# Altium PCB CorePad-V2.0.PcbDoc (part 2 of 3) (continued)
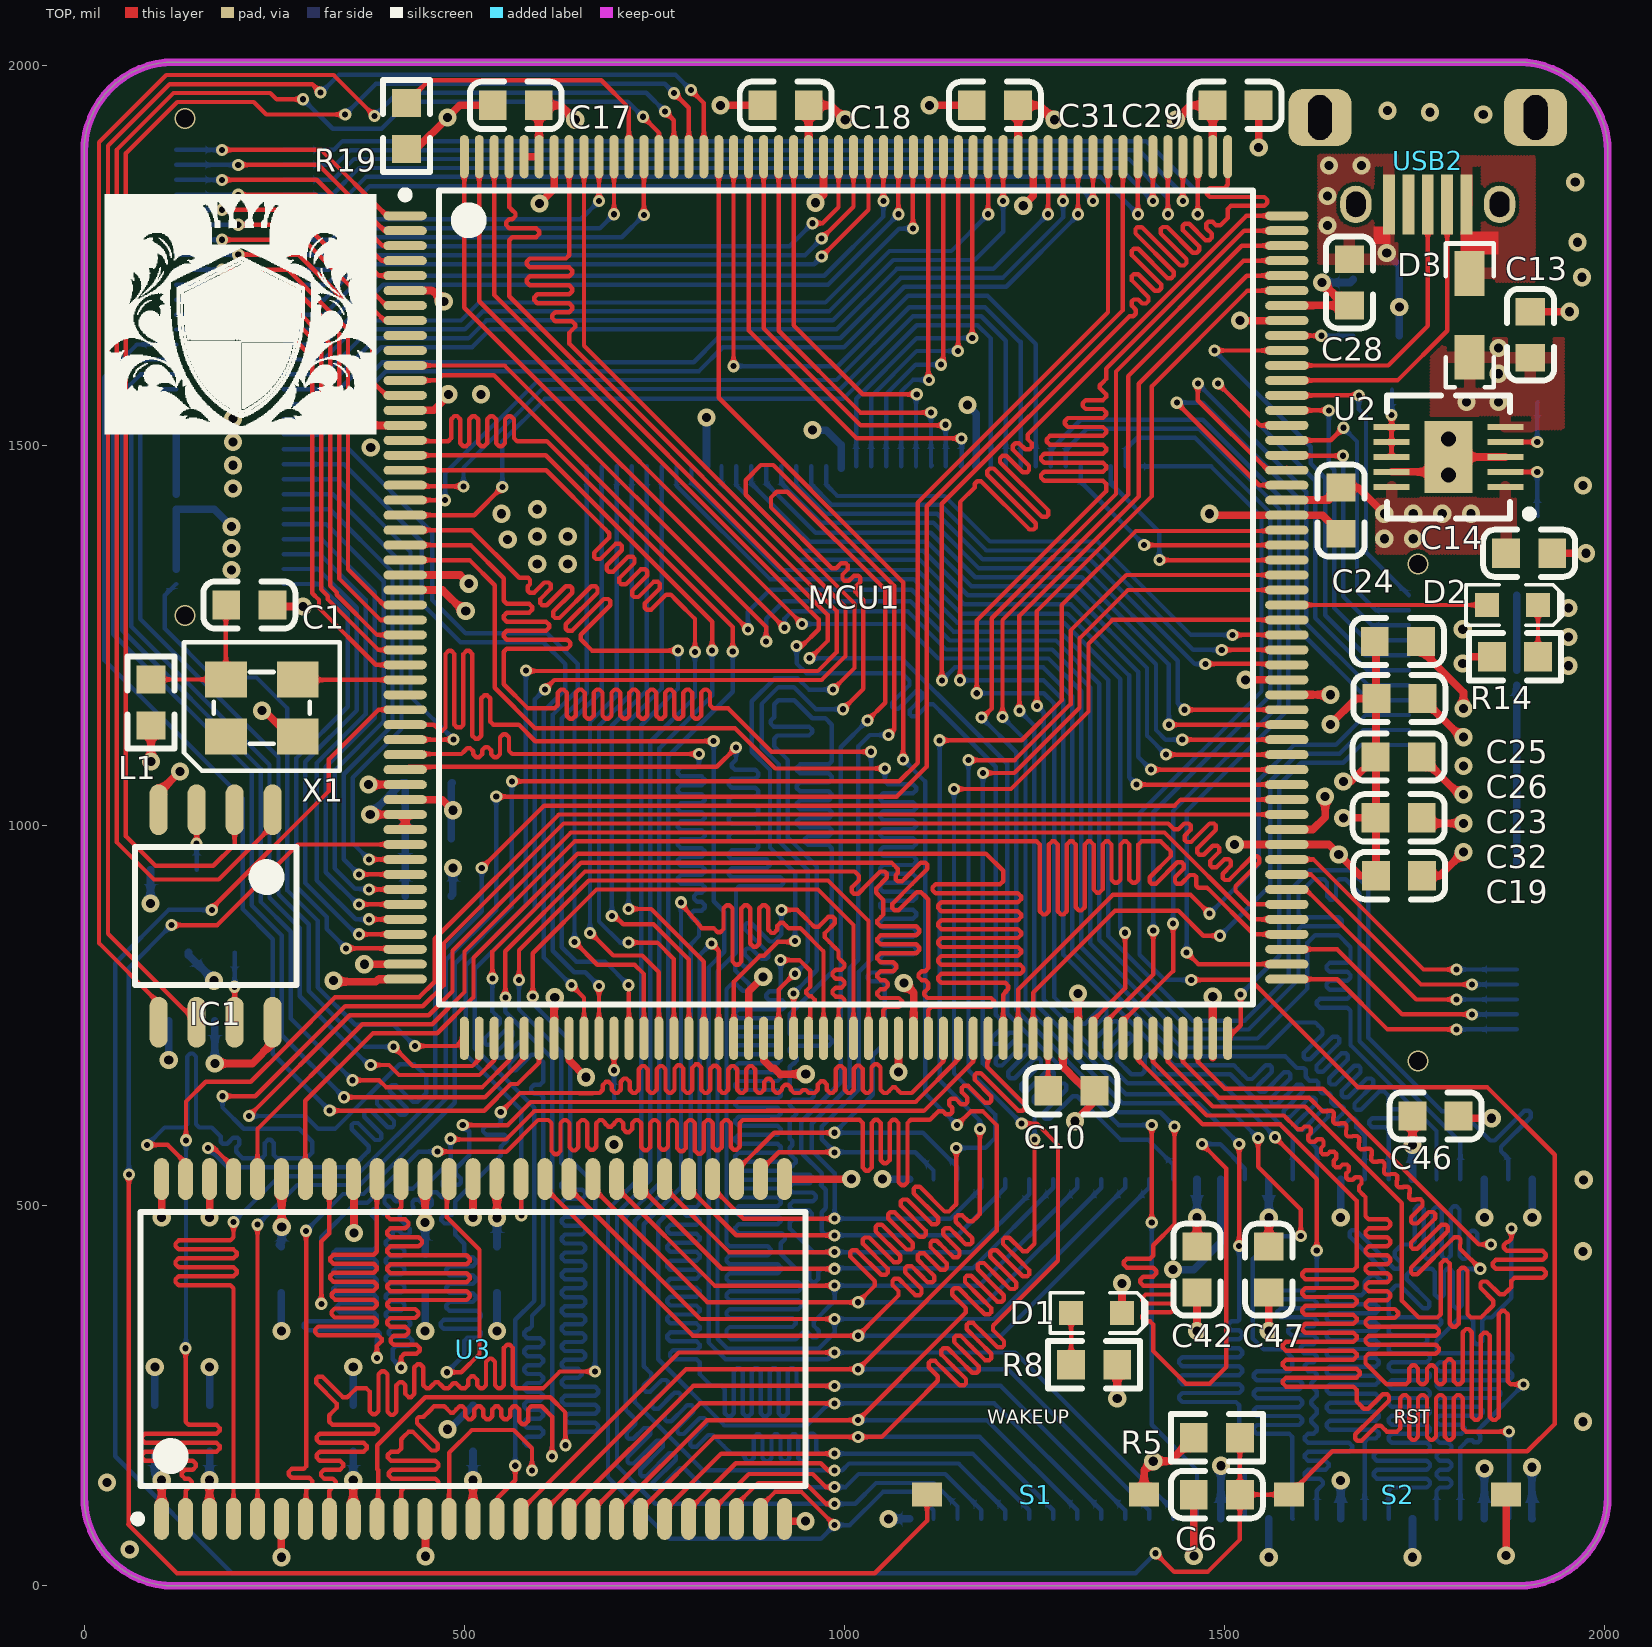
[diagram p0: TOP view]
## Nets (pads, with @x,y where several pads share a name; then routed paths per layer and width w, separated by ;. In a path a pad name is that pad's centre, name@x,y a point inside that pad or via, vN(x,y) a via of type N, cw(c..) or ccw(c..) an arc to the next point about the centre after c; other vN are vias at no path point) (continued)
FMC_D14: MCU1.109 U3.51 | length 2579.3
  TOP w5.78: v1(163,576) 171,576 196.54,550.46 U3.51@196.54,535 ; v1(217,618) 349.45,750.45 451.75,750.45 ; 451.76,750.44 453.12,750.44 484.56,781.88 484.56,835.22 640.19,990.85 1420.81,990.85 1535.05,876.61 MCU1.109@1581.69,876.61
  BOT w5.78: v1(163,576) 188.22,550.78 337,550.78 346.91,550.78 352.8,550.78 360.56,558.54 368.89,566.87 374.3,572.28 374.3,578.11 351.95,600.46 351.95,606.3 354.45,608.79 360.28,608.79 382.63,586.44 388.46,586.44 390.96,588.94 390.96,594.77 368.61,617.12 368.61,622.95 371.11,625.45 376.94,625.45 399.29,603.1 405.12,603.1 407.62,605.6 407.62,611.43 385.27,633.78 385.27,639.61 387.77,642.11 393.6,642.11 415.95,619.76 421.78,619.76 424.28,622.26 424.28,628.09 401.93,650.44 401.93,656.27 404.43,658.77 410.26,658.77 432.61,636.42 438.44,636.42 443.86,641.84 448.02,646 450.22,648.2 450.22,669.78 434,686 415,686 330,601 308,601 291,618 v1(217,618)
FMC_D15: MCU1.110 U3.53 | length 2643.1
  TOP w5.78: v1(83,580) 110,580 133.54,556.46 U3.53@133.54,535 ; v1(182,644) 225,644 343.23,762.23 445.41,762.23 472.78,789.6 472.78,844.78 630.63,1002.63 1425.69,1002.63 1431.32,997 1433.31,995.01 1439.14,995.01 1446.77,1002.63 1452.6,1002.63 1455.1,1000.13 1455.1,994.3 1447.47,986.68 1447.47,980.85 1449.97,978.35 1455.8,978.35 1480.09,1002.63 1485.92,1002.63 1488.42,1000.13 1488.42,994.3 1464.13,970.02 1464.13,964.19 1466.63,961.69 1472.46,961.69 1484.23,973.45 1490.06,973.45 1492.56,970.95 1492.56,965.12 1480.79,953.36 1480.79,947.53 1483.29,945.03 1489.12,945.03 1499.66,955.56 1505.49,955.56 1507.99,953.06 1507.99,947.23 1497.45,936.7 1497.45,930.87 1499.95,928.37 1505.78,928.37 1536.93,959.52 1542.76,959.52 1545.26,957.02 1545.26,951.19 1514.11,920.04 1514.11,914.21 1519.53,908.79 1527.85,900.46 1532.02,896.3 1540.46,896.3 1552.24,896.3 1564.02,896.3 1575.8,896.3 MCU1.110@1581.69,896.3
  BOT w5.78: v1(83,580) 105.89,602.89 106,602.89 111.89,602.89 123.67,602.89 131.33,602.89 135.45,607.01 135.45,696.07 139.57,700.19 143.11,700.19 147.23,696.07 147.23,607.01 151.35,602.89 159.01,602.89 168,602.89 172.16,598.73 179.89,591 179.89,589.79 179.89,583.96 182.39,581.46 188.22,581.46 188.82,582.07 195.99,589.23 201.82,589.23 204.32,586.73 204.32,580.9 200.07,576.65 200.07,570.82 205.48,565.41 208.33,562.56 214.22,562.56 226,562.56 233.65,562.56 237.78,566.68 237.78,582.51 241.9,586.63 245.43,586.63 249.56,582.51 249.56,566.68 253.68,562.56 261.34,562.56 292.56,562.56 300,570 300,584 282.89,601.11 210,601.11 182,629.11 v1(182,644)
FMC_D16: MCU1.98 U4.2 | length 2622.7
  TOP w5.78: MCU1.98@1385.83,720.12 1385.83,692.17 1471.11,606.89 1573,606.89 1673.37,506.52 1673.37,433 1673.37,427.11 1673.37,419.45 1669.25,415.33 1606.02,415.33 1601.89,411.21 1601.89,407.67 1606.02,403.55 1669.25,403.55 1673.37,399.43 1673.37,395.89 1669.25,391.77 1606.02,391.77 1601.89,387.65 1601.89,384.11 1606.02,379.99 1669.25,379.99 1673.37,375.87 1673.37,372.33 1669.25,368.21 1606.02,368.21 1601.89,364.09 1601.89,360.55 1606.02,356.43 1669.25,356.43 1673.37,352.31 1673.37,348.77 1669.25,344.65 1606.02,344.65 1601.89,340.53 1601.89,336.99 1606.02,332.87 1669.25,332.87 1673.37,328.75 1673.37,325.21 1669.25,321.09 1580.61,321.09 1576.49,316.97 1576.49,313.43 1580.61,309.31 1669.25,309.31 1673.37,305.19 1673.37,301.65 1669.25,297.53 1580.61,297.53 1576.49,293.41 1576.49,289.87 1580.61,285.75 1673.37,285.75 1677.49,281.63 1677.49,278.09 1673.37,273.97 1580.61,273.97 1576.49,269.85 1576.49,266.31 1580.61,262.19 1669.25,262.19 1673.37,258.07 1673.37,250.41 1673.37,242.63 1677.54,238.46 1682.95,233.05 1688.78,233.05 1707.75,252.02 1713.58,252.02 1716.08,249.52 1716.08,243.69 1694.19,221.81 1671.7,199.31 1671.7,193.48 1674.2,190.98 1680.03,190.98 1699.61,210.56 1705.44,210.56 1710.85,205.15 1713,203 1718.89,203 1726.55,203 1730.67,207.12 1730.67,246.98 1734.79,251.11 1738.33,251.11 1742.45,246.98 1742.45,203 1742.45,196.02 1746.57,191.89 1750.11,191.89 1754.23,196.02 1754.23,203 1754.23,246.98 1758.35,251.11 1761.89,251.11 1766.01,246.98 1766.01,203 1766.01,196.02 1770.13,191.89 1773.67,191.89 1777.79,196.02 1777.79,203 1777.79,246.98 1781.91,251.11 1785.45,251.11 1789.57,246.98 1789.57,203 1789.57,196.02 1793.69,191.89 1797.23,191.89 1801.35,196.02 1801.35,203 1801.35,246.98 1805.47,251.11 1809.01,251.11 1813.13,246.98 1813.13,207.12 1817.25,203 1854,203 v1(1874,203)
  BOT w5.78: U4.2@1872.95,88.15 1874,89.2 v1(1874,203)
FMC_D17: MCU1.99 U4.4 | length 2620.8
  TOP w5.78: MCU1.99@1405.51,720.12 1405.51,689.57 1476.42,618.67 1577.88,618.67 1582.04,614.51 1590.37,606.18 1595.78,600.76 1601.62,600.76 1604.97,604.11 1610.8,604.11 1613.3,601.61 1613.3,595.78 1609.94,592.43 1609.94,586.6 1612.44,584.1 1618.27,584.1 1621.63,587.45 1627.46,587.45 1629.96,584.95 1629.96,579.12 1626.6,575.77 1626.6,569.94 1629.1,567.44 1634.93,567.44 1638.29,570.79 1644.12,570.79 1646.61,568.29 1646.61,562.46 1643.26,559.11 1643.26,553.28 1645.76,550.78 1651.59,550.78 1654.94,554.13 1660.78,554.13 1663.27,551.64 1663.27,545.8 1659.92,542.45 1659.92,536.62 1662.42,534.12 1668.25,534.12 1671.6,537.47 1677.43,537.47 1679.93,534.98 1679.93,529.14 1676.58,525.79 1676.58,519.96 1682,514.55 1685.15,511.4 1685.15,505.51 1685.15,493.73 1685.15,486.07 1689.27,481.95 1713.72,481.95 1717.85,477.82 1717.85,474.29 1713.72,470.17 1689.27,470.17 1685.15,466.04 1685.15,462.51 1689.27,458.39 1713.72,458.39 1717.85,454.26 1717.85,450.73 1713.72,446.61 1689.27,446.61 1685.15,442.48 1685.15,438.95 1689.27,434.83 1713.72,434.83 1717.85,430.7 1717.85,427.17 1713.72,423.05 1689.27,423.05 1685.15,418.92 1685.15,415.39 1689.27,411.27 1713.72,411.27 1717.85,407.14 1717.85,403.61 1713.72,399.49 1689.27,399.49 1685.15,395.36 1685.15,391.83 1689.27,387.71 1713.72,387.71 1717.85,383.58 1717.85,380.05 1713.72,375.93 1689.27,375.93 1685.15,371.8 1685.15,368.27 1689.27,364.15 1723.82,364.15 1727.94,360.02 1727.94,356.49 1723.82,352.37 1689.27,352.37 1685.15,348.24 1685.15,344.71 1689.27,340.59 1777.65,340.59 1781.77,336.46 1781.77,332.93 1777.65,328.81 1689.27,328.81 1685.15,324.68 1685.15,321.15 1689.27,317.03 1777.65,317.03 1781.77,312.9 1781.77,309.37 1777.65,305.25 1689.27,305.25 1685.15,301.12 1685.15,293.47 1685.15,292.85 1689.32,288.68 1697.64,280.36 1705.97,272.03 1713,265 1718.89,265 1730.67,265 1738.33,265 1742.45,269.12 1742.45,285.97 1746.58,290.09 1750.11,290.09 1754.23,285.97 1754.23,269.12 1758.36,265 1761.89,265 1766.01,269.12 1766.01,285.97 1770.14,290.09 1773.67,290.09 1777.79,285.97 1777.79,269.12 1781.92,265 1785.45,265 1789.57,269.12 1789.57,293.76 1793.7,297.88 1797.23,297.88 1801.35,293.76 1801.35,269.12 1805.48,265 1809.01,265 1813.13,269.12 1813.13,333.72 1817.26,337.84 1820.79,337.84 1824.91,333.72 1824.91,265 1824.91,222.28 1829.04,218.16 1832.57,218.16 1836.69,222.28 1836.69,265 1836.69,329.05 1840.82,333.17 1844.35,333.17 1848.47,329.05 1848.47,265 1848.47,222.28 1852.6,218.16 1856.13,218.16 1860.25,222.28 1860.25,265 1860.25,357.5 1864.38,361.62 1867.91,361.62 1872.03,357.5 1872.03,269.12 1876.16,265 v1(1893,265)
  BOT w5.78: U4.4@1809.96,88.15 1809.96,181.95 1814.13,186.12 1819.54,191.53 1825.37,191.53 1827.72,189.18 1833.55,189.18 1836.05,191.68 1836.05,197.51 1833.7,199.86 1833.7,205.69 1842,214 v1(1893,265)
FMC_D18: MCU1.100 U4.5 | length 2670.5
  TOP w5.78: MCU1.100@1425.2,720.12 1425.2,689.57 1484.32,630.45 1605.89,630.45 1733,503.34 1733,388 1733,380.89 1733,375 1755,353 1760.43,353 1772.21,353 1779.87,353 1783.99,357.12 1783.99,423.95 1788.11,428.08 1791.65,428.08 1795.77,423.95 1795.77,353 1795.77,344.79 1799.89,340.67 1803.43,340.67 1807.55,344.79 1807.55,353 1807.55,414.29 1811.67,418.42 1815.21,418.42 1819.33,414.29 1819.33,357.12 1823.45,353 1831.11,353 1837,353 1839.52,355.52 1847.85,363.85 1853.26,369.26 1853.26,375.09 1836.33,392.02 1836.33,397.85 1838.83,400.35 1844.66,400.35 1861.59,383.42 1867.42,383.42 1872.84,388.84 1877,393 1877,393.43 1877,401.09 1881.12,405.21 1918.1,405.21 1922.22,409.33 1922.22,412.87 1918.1,416.99 1877,416.99 1856.5,416.99 1852.38,421.11 1852.38,424.65 1856.5,428.77 1877,428.77 1918.1,428.77 1922.22,432.89 1922.22,436.43 1918.1,440.55 1877,440.55 1870.99,440.55 1866.87,444.67 1866.87,448.21 1870.99,452.33 1872.88,452.33 1877,456.45 1877,464.11 v1(1877,470)
  BOT w5.78: U4.5@1778.46,88.15 1778.46,94.04 1778.46,105.82 1778.46,117.6 1778.46,125.26 1782.59,129.38 1794.06,129.38 1798.18,133.5 1798.18,137.04 1794.06,141.16 1782.59,141.16 1778.46,145.28 1778.46,148.82 1782.59,152.94 1794.06,152.94 1798.18,157.06 1798.18,160.6 1794.06,164.72 1782.59,164.72 1778.46,168.84 1778.46,172.38 1782.59,176.5 1794.06,176.5 1798.18,180.62 1798.18,184.16 1794.06,188.28 1782.59,188.28 1778.46,192.4 1778.46,195.94 1782.59,200.06 1811.41,200.06 1815.53,204.18 1815.53,207.72 1811.41,211.84 1782.59,211.84 1778.46,215.96 1778.46,219.5 1782.59,223.62 1834.97,223.62 1839.09,227.74 1839.09,231.28 1834.97,235.4 1782.59,235.4 1778.46,239.52 1778.46,243.06 1782.59,247.18 1858.53,247.18 1862.65,251.3 1862.65,254.84 1858.53,258.96 1782.59,258.96 1778.46,263.08 1778.46,266.62 1782.59,270.74 1874.34,270.74 1878.46,274.86 1878.46,278.4 1874.34,282.52 1782.59,282.52 1778.46,286.64 1778.46,290.18 1782.59,294.3 1874.34,294.3 1878.46,298.42 1878.46,301.96 1874.34,306.08 1782.59,306.08 1778.46,310.2 1778.46,317.86 1778.46,322.46 1782.63,326.63 1790.96,334.96 1799.29,343.29 1807.62,351.62 1809,353 1814.89,353 1822.55,353 1826.67,348.88 1826.67,321.98 1830.79,317.86 1834.33,317.86 1838.45,321.98 1838.45,348.88 1842.57,353 1844,353 1851,353 1877,379 v1(1877,470)
FMC_D19: MCU1.101 U4.7 | length 2670.8
  TOP w5.78: MCU1.101@1444.88,720.12 1444.88,689.57 1492.23,642.23 1610.77,642.23 1614.94,638.07 1623.27,629.74 1628.68,624.32 1634.51,624.32 1635.13,624.94 1640.96,624.94 1643.46,622.44 1643.46,616.61 1642.84,615.99 1642.84,610.16 1645.34,607.66 1651.17,607.66 1651.79,608.28 1657.62,608.28 1660.12,605.78 1660.12,599.95 1659.5,599.33 1659.5,593.5 1662,591 1667.83,591 1668.45,591.62 1674.28,591.62 1676.78,589.12 1676.78,583.29 1676.16,582.67 1676.16,576.84 1678.66,574.34 1684.49,574.34 1685.11,574.96 1690.94,574.96 1693.44,572.47 1693.44,566.63 1692.82,566.01 1692.82,560.18 1695.32,557.68 1701.15,557.68 1701.77,558.3 1707.6,558.3 1710.1,555.81 1710.1,549.98 1709.48,549.35 1709.48,543.52 1711.98,541.02 1717.81,541.02 1718.43,541.65 1724.26,541.65 1726.76,539.15 1726.76,533.32 1726.14,532.69 1726.14,526.86 1728.64,524.36 1734.47,524.36 1735.09,524.99 1740.92,524.99 1743.42,522.49 1743.42,516.66 1742.8,516.03 1742.8,510.2 1745.3,507.71 1751.13,507.71 1751.75,508.33 1757.58,508.33 1760.08,505.83 1760.08,500 1756.54,496.46 1745,484.91 1745,479.08 1747.5,476.58 1753.33,476.58 1764.87,488.13 1768.41,491.67 1774.24,491.67 1776.74,489.17 1776.74,483.34 1773.2,479.8 1745,451.6 1745,445.77 1747.5,443.27 1753.33,443.27 1781.53,471.47 1785.07,475.01 1790.9,475.01 1793.4,472.51 1793.4,466.68 1789.86,463.14 1745,418.28 1745,412.45 1747.5,409.95 1753.33,409.95 1798.19,454.81 1801.73,458.35 1807.56,458.35 1810.06,455.85 1810.06,450.02 1809.44,449.4 1809.44,443.57 v1(1836,417)
  BOT w5.78: U4.7@1715.47,88.15 1715.47,94.04 1715.47,105.82 1715.47,117.6 1715.47,125.26 1719.6,129.38 1765.8,129.38 1769.92,133.5 1769.92,137.04 1765.8,141.16 1715.47,141.16 1700.01,141.16 1695.88,145.28 1695.88,148.82 1700.01,152.94 1715.47,152.94 1765.8,152.94 1769.92,157.06 1769.92,160.6 1765.8,164.72 1715.47,164.72 1700.01,164.72 1695.88,168.84 1695.88,172.38 1700.01,176.5 1715.47,176.5 1765.8,176.5 1769.92,180.62 1769.92,184.16 1765.8,188.28 1719.6,188.28 1715.47,192.4 1715.47,195.94 1719.6,200.06 1765.8,200.06 1769.92,204.18 1769.92,207.72 1765.8,211.84 1719.6,211.84 1715.47,215.96 1715.47,219.5 1719.6,223.62 1765.8,223.62 1769.92,227.74 1769.92,231.28 1765.8,235.4 1719.6,235.4 1715.47,239.52 1715.47,243.06 1719.6,247.18 1765.8,247.18 1769.92,251.3 1769.92,254.84 1765.8,258.96 1719.6,258.96 1715.47,263.08 1715.47,266.62 1719.6,270.74 1765.8,270.74 1769.92,274.86 1769.92,278.4 1765.8,282.52 1719.6,282.52 1715.47,286.64 1715.47,290.18 1719.6,294.3 1765.8,294.3 1769.92,298.42 1769.92,301.96 1765.8,306.08 1719.6,306.08 1715.47,310.2 1715.47,313.74 1719.6,317.86 1762.43,317.86 1766.56,321.98 1766.56,325.52 1762.43,329.64 1719.6,329.64 1715.47,333.76 1715.47,337.3 1719.6,341.42 1780.63,341.42 1784.76,345.54 1784.76,349.08 1780.63,353.2 1719.6,353.2 1715.47,357.32 1715.47,364.98 1715.47,376.76 1715.47,385.47 1719.64,389.64 1725.05,395.05 1730.88,395.05 1760.86,365.07 1766.7,365.07 1769.19,367.57 1769.19,373.4 1739.21,403.38 1739.21,409.21 1744.63,414.63 1747,417 1752.89,417 1764.67,417 1772.33,417 1776.45,412.88 1776.45,382.93 1780.57,378.81 1784.11,378.81 1788.23,382.93 1788.23,412.88 1792.35,417 1795.89,417 1800.01,412.88 1800.01,368.95 1804.13,364.83 1807.67,364.83 1811.79,368.95 1811.79,412.88 1815.91,417 1823.57,417 1835.35,417 v1(1836,417)
FMC_D20: MCU1.102 U4.8 | length 2620.8
  TOP w5.78: MCU1.102@1464.57,720.12 1464.57,689.57 1500.13,654.01 1628.99,654.01 1834,449 v1(1850,449)
  BOT w5.78: U4.8@1683.98,88.15 1683.98,173 1683.98,189.7 1688.1,193.83 1698.39,193.83 1702.52,197.95 1702.52,201.48 1698.39,205.61 1683.98,205.61 1638.06,205.61 1633.94,209.73 1633.94,213.26 1638.06,217.39 1683.98,217.39 1698.39,217.39 1702.52,221.51 1702.52,225.04 1698.39,229.17 1683.98,229.17 1638.06,229.17 1633.94,233.29 1633.94,236.82 1638.06,240.95 1683.98,240.95 1698.39,240.95 1702.52,245.07 1702.52,248.6 1698.39,252.73 1683.98,252.73 1638.06,252.73 1633.94,256.85 1633.94,260.38 1638.06,264.51 1683.98,264.51 1698.39,264.51 1702.52,268.63 1702.52,272.16 1698.39,276.29 1683.98,276.29 1638.06,276.29 1633.94,280.41 1633.94,283.94 1638.06,288.07 1683.98,288.07 1698.39,288.07 1702.52,292.19 1702.52,295.72 1698.39,299.85 1683.98,299.85 1638.06,299.85 1633.94,303.97 1633.94,307.5 1638.06,311.63 1683.98,311.63 1698.39,311.63 1702.52,315.75 1702.52,319.28 1698.39,323.41 1683.98,323.41 1638.06,323.41 1633.94,327.53 1633.94,331.06 1638.06,335.19 1683.98,335.19 1698.39,335.19 1702.52,339.31 1702.52,342.84 1698.39,346.97 1683.98,346.97 1638.06,346.97 1633.94,351.09 1633.94,354.62 1638.06,358.75 1683.98,358.75 1698.39,358.75 1702.52,362.87 1702.52,366.4 1698.39,370.53 1683.98,370.53 1638.06,370.53 1633.94,374.65 1633.94,378.18 1638.06,382.31 1679.85,382.31 1683.98,386.43 1683.98,394.09 1683.98,399.98 1687.19,403.19 1692.6,408.6 1698.43,408.6 1706.44,400.59 1712.27,400.59 1714.77,403.09 1714.77,408.92 1703.85,419.85 1664.29,459.4 1664.29,465.23 1666.79,467.73 1672.62,467.73 1712.18,428.18 1723.1,417.25 1728.93,417.25 1731.43,419.75 1731.43,425.58 1723.42,433.59 1723.42,439.42 1728.84,444.84 1733,449 1738.09,449 1745.75,449 1749.87,453.12 1749.87,495.7 1753.99,499.83 1757.53,499.83 1761.65,495.7 1761.65,449 1761.65,434.08 1765.77,429.96 1769.31,429.96 1773.43,434.08 1773.43,449 1773.43,494.25 1777.55,498.38 1781.09,498.38 1785.21,494.25 1785.21,449 1785.21,434.08 1789.33,429.96 1792.87,429.96 1796.99,434.08 1796.99,449 1796.99,495.07 1801.11,499.19 1804.65,499.19 1808.77,495.07 1808.77,449 1808.77,434.08 1812.89,429.96 1816.43,429.96 1820.55,434.08 1820.55,449 1820.55,463.07 1824.67,467.19 1828.21,467.19 1832.33,463.07 1832.33,453.12 1836.45,449 1844.11,449 v1(1850,449)
FMC_D21: MCU1.151 U4.10 | length 2562.8
  TOP w5.78: v1(1253,1157) 1253,1282 1404.23,1433.23 1404.23,1577.77 1529.84,1703.39 MCU1.151@1581.69,1703.39 ; v1(1566,590) 1620.98,535.02 v1(1620.98,441.02)
  BOT w5.78: v1(1253,1157) 1254,1157 1262,1149 1262,771.3 1372.3,661 1495.89,661 1566,590.89 v1(1566,590) ; U4.10@1620.98,88.15 1620.98,94.04 1620.98,105.82 1620.98,117.6 1620.98,125.26 1625.11,129.38 1629.23,133.5 1629.23,137.04 1625.11,141.16 1620.98,141.16 1609.56,141.16 1605.44,145.28 1605.44,148.82 1609.56,152.94 1620.98,152.94 1632.5,152.94 1636.63,157.06 1636.63,160.6 1632.5,164.72 1620.98,164.72 1609.56,164.72 1605.44,168.84 1605.44,172.38 1609.56,176.5 1620.98,176.5 1663.33,176.5 1667.45,180.62 1667.45,184.16 1663.33,188.28 1620.98,188.28 1609.56,188.28 1605.44,192.4 1605.44,195.94 1609.56,200.06 1616.86,200.06 1620.98,204.18 1620.98,208.73 1617.87,211.84 1613.75,215.96 1613.75,219.5 1617.87,223.62 1620.98,226.73 1620.98,232.29 1617.87,235.4 1613.75,239.52 1613.75,243.06 1617.87,247.18 1620.98,250.29 1620.98,255.85 1617.87,258.96 1613.75,263.08 1613.75,266.62 1617.87,270.74 1620.98,273.85 1620.98,278.4 1616.86,282.52 1609.56,282.52 1605.44,286.64 1605.44,290.18 1609.56,294.3 1616.86,294.3 1620.98,298.42 1620.98,301.96 1616.86,306.08 1604.23,306.08 1600.11,310.2 1600.11,313.74 1604.23,317.86 1616.86,317.86 1620.98,321.98 1620.98,325.52 1616.86,329.64 1587.75,329.64 1583.63,333.76 1583.63,337.3 1587.75,341.42 1616.86,341.42 1620.98,345.54 1620.98,349.08 1616.86,353.2 1573.36,353.2 1569.24,357.32 1569.24,360.86 1573.36,364.98 1616.86,364.98 1620.98,369.1 1620.98,372.64 1616.86,376.76 1557.75,376.76 1553.63,380.88 1553.63,384.42 1557.75,388.54 1616.86,388.54 1620.98,392.66 1620.98,400 v1(1620.98,441.02)
FMC_D22: MCU1.152 U4.11 | length 2562.6
  TOP w5.78: v1(1230,1151) 1230,1275.66 1387,1432.66 1387,1581 1529.07,1723.07 MCU1.152@1581.69,1723.07 ; v1(1544,589) 1544,551 1600,495 v1(1600,460)
  BOT w5.78: v1(1230,1151) 1249.78,1131.22 1249.78,766.86 1370.19,646.45 1486.21,646.45 1543.66,589 v1(1544,589) ; U4.11@1589.49,88.15 1588.91,88.73 1588.91,196 1585.04,199.87 1542.14,199.87 1538.01,203.99 1538.01,207.53 1542.14,211.65 1588.91,211.65 1597.85,211.65 1601.97,215.77 1601.97,219.31 1597.85,223.43 1588.91,223.43 1542.14,223.43 1538.01,227.55 1538.01,231.09 1542.14,235.21 1588.91,235.21 1597.85,235.21 1601.97,239.33 1601.97,242.87 1597.85,246.99 1588.91,246.99 1542.14,246.99 1538.01,251.11 1538.01,254.65 1542.14,258.77 1588.91,258.77 1597.85,258.77 1601.97,262.89 1601.97,266.43 1597.85,270.55 1588.91,270.55 1542.14,270.55 1538.01,274.67 1538.01,278.21 1542.14,282.33 1584.79,282.33 1588.91,286.45 1588.91,294.11 1588.91,300 1577.91,311 1551.2,311 1537.1,325.1 1537.1,430.1 1567,460 v1(1600,460)
FMC_D23: MCU1.153 U4.13 | length 2562.3
  TOP w5.78: v1(1207.78,1142.78) 1207.78,1270.1 1373,1435.32 1373,1591 1524.76,1742.76 MCU1.153@1581.69,1742.76 ; v1(1519,447) v1(1519,581)
  BOT w5.78: v1(1207.78,1142.78) 1238,1112.56 1238,761.98 1365.31,634.67 1465.33,634.67 v1(1519,581) ; v1(1519,447) 1519,350 1516.91,347.91 1508.83,347.91 1504.71,343.79 1504.71,340.25 1508.83,336.13 1519,336.13 1523.12,332.01 1523.12,328.47 1519,324.35 1503.12,324.35 1498.99,320.23 1498.99,316.69 1503.12,312.57 1519,312.57 1523.12,308.45 1523.12,304.91 1519,300.79 1444.06,300.79 1439.94,296.67 1439.94,293.13 1444.06,289.01 1519,289.01 1523.12,284.89 1523.12,281.35 1519,277.23 1444.06,277.23 1439.94,273.11 1439.94,269.57 1444.06,265.45 1519,265.45 1523.12,261.33 1523.12,257.79 1519,253.67 1444.06,253.67 1439.94,249.55 1439.94,246.01 1444.06,241.89 1514.88,241.89 1519,237.77 1519,236 1519,156 1526.5,148.5 U4.13@1526.5,88.15
FMC_D24: MCU1.154 U4.42 | length 2564.8
  TOP w5.78: v1(1180,1142) 1182,1142 1193.71,1153.71 1193.71,1272.69 1357,1435.98 1357,1597 1522.44,1762.44 MCU1.154@1581.69,1762.44 ; v1(1434,604) 1434,476 1406,448 1406,442.11 1406,434.45 1401.88,430.33 1371.38,430.33 1367.26,426.21 1367.26,422.67 1371.38,418.55 1406,418.55 1410.12,414.43 1410.12,410.89 1406,406.77 1393.03,406.77 1388.91,402.65 1388.91,399.11 1393.03,394.99 1406,394.99 1429.08,394.99 1433.2,390.87 1433.2,387.33 1429.08,383.21 1406,383.21 1395.77,383.21 1391.65,379.09 1391.65,375.55 1395.77,371.43 1406,371.43 1429.08,371.43 1433.2,367.31 1433.2,363.77 1429.08,359.65 1406,359.65 1395.81,359.65 1391.69,355.53 1391.69,351.99 1395.81,347.87 1401.88,347.87 1406,343.75 1406,309 1449,266 1480.11,266 1502.11,288 1502.11,548.89 v1(1470,581)
  BOT w5.78: v1(1180,1142) 1225.78,1096.22 1225.78,757.54 1360.43,622.89 1415.11,622.89 v1(1434,604) ; v1(1470,581) 1494,581 1526.5,548.5 U4.42@1526.5,535
FMC_D25: MCU1.155 U4.44 | length 2620.8
  TOP w5.78: v1(1173.89,1173.89) 1173.89,1269.53 1344,1439.64 1344,1448 1344,1449.29 1339.88,1453.41 1262.59,1453.41 1258.46,1457.53 1258.46,1461.07 1262.59,1465.19 1339.88,1465.19 1344,1469.31 1344,1472.85 1339.88,1476.97 1262.59,1476.97 1258.46,1481.09 1258.46,1484.63 1262.59,1488.75 1339.88,1488.75 1344,1492.87 1344,1496.41 1339.88,1500.53 1270.11,1500.53 1265.99,1504.65 1265.99,1508.19 1270.11,1512.31 1339.88,1512.31 1344,1516.43 1344,1519.97 1339.88,1524.09 1293.67,1524.09 1289.55,1528.21 1289.55,1531.75 1293.67,1535.87 1339.88,1535.87 1344,1539.99 1344,1543.53 1339.88,1547.65 1317.23,1547.65 1313.11,1551.77 1313.11,1555.31 1317.23,1559.43 1339.88,1559.43 1344,1563.55 1344,1567.09 1339.88,1571.21 1335.75,1575.33 1335.75,1578.87 1339.88,1582.99 1344,1587.11 1344,1594.77 1344,1600.66 1525.47,1782.13 MCU1.155@1581.69,1782.13
  BOT w5.78: v1(1173.89,1173.89) 1262.11,1173.89 1276,1160 1276,773.96 1280.16,769.79 1288.49,761.46 1293.91,756.05 1299.74,756.05 1301.89,758.2 1307.72,758.2 1310.22,755.7 1310.22,749.87 1308.07,747.72 1308.07,741.89 1310.57,739.39 1316.4,739.39 1336.26,759.25 1342.09,759.25 1344.59,756.75 1344.59,750.92 1324.73,731.06 1324.73,725.23 1327.23,722.73 1333.06,722.73 1352.92,742.59 1358.75,742.59 1361.25,740.09 1361.25,734.26 1341.39,714.4 1341.39,708.57 1343.89,706.07 1349.72,706.07 1369.58,725.93 1375.41,725.93 1377.91,723.43 1377.91,717.6 1358.05,697.74 1358.05,691.91 1363.46,686.49 1371.79,678.16 1377.18,672.78 1383.07,672.78 1390.72,672.78 1394.85,676.9 1394.85,694.72 1398.97,698.84 1402.5,698.84 1406.63,694.72 1406.63,676.9 1410.75,672.78 1418.41,672.78 1430.19,672.78 1441.97,672.78 1449,672.78 1507.22,672.78 1589.49,590.51 U4.44@1589.49,535
FMC_D26: MCU1.156 U4.45 | length 2620.8
  TOP w5.78: v1(1152,1191) 1152,1425.32 1171.2,1444.52 1171.2,1449.54 1174.5,1452.85 1179.53,1452.85 1243.15,1389.22 1248.98,1389.22 1251.48,1391.72 1251.48,1397.55 1187.86,1461.18 1187.86,1466.2 1191.16,1469.51 1196.19,1469.51 1259.81,1405.88 1265.64,1405.88 1268.14,1408.38 1268.14,1414.21 1204.52,1477.84 1204.52,1482.86 1207.82,1486.16 1212.85,1486.16 1234.34,1464.67 1240.17,1464.67 1242.67,1467.17 1242.67,1473 1221.18,1494.49 1221.18,1499.52 1224.48,1502.82 1229.51,1502.82 1237.67,1494.66 1243.5,1494.66 1246,1497.16 1246,1502.99 1240.75,1508.24 1240.75,1514.07 1242,1515.32 1528.49,1801.81 MCU1.156@1581.69,1801.81
  BOT w5.78: v1(1152,1191) 1261.66,1191 1287.78,1164.88 1287.78,830.22 1433.44,684.56 1512.1,684.56 1516.26,680.4 1524.59,672.07 1530.01,666.65 1535.84,666.65 1553.75,684.56 1559.58,684.56 1562.08,682.06 1562.08,676.23 1544.17,658.32 1544.17,652.49 1546.67,649.99 1552.5,649.99 1578.01,675.5 1583.84,675.5 1586.34,673 1586.34,667.17 1560.83,641.66 1560.83,635.83 1563.33,633.33 1569.16,633.33 1594.67,658.84 1600.5,658.84 1603,656.34 1603,650.51 1577.49,625 1577.49,619.17 1579.99,616.67 1585.82,616.67 1611.33,642.18 1617.16,642.18 1619.66,639.68 1619.66,633.85 1594.15,608.34 1594.15,602.51 1596.65,600.01 1602.48,600.01 1627.99,625.52 1633.82,625.52 1636.32,623.03 1636.32,617.19 1610.81,591.68 1610.81,585.85 1616.22,580.44 1620.98,575.68 1620.98,569.79 1620.98,558.01 1620.98,546.23 U4.45@1620.98,535
FMC_D27: MCU1.157 U4.47 | length 2661.9
  TOP w5.78: v1(1128,1190.89) 1128,1423 1359,1654 1366.5,1661.5 1374.83,1669.83 1379.85,1669.83 1383.16,1673.13 1383.16,1678.16 1377.92,1683.39 1377.92,1689.22 1380.42,1691.72 1386.25,1691.72 1391.49,1686.49 1396.51,1686.49 1399.82,1689.79 1399.82,1694.82 1377.92,1716.71 1377.92,1722.54 1380.42,1725.04 1386.25,1725.04 1408.14,1703.14 1413.17,1703.14 1416.47,1706.45 1416.47,1711.47 1377.92,1750.03 1377.92,1755.86 1380.42,1758.36 1386.25,1758.36 1424.8,1719.8 1429.83,1719.8 1433.13,1723.11 1433.13,1728.13 1382.64,1778.63 1382.64,1784.46 1385.13,1786.96 1390.97,1786.96 1441.46,1736.46 1446.49,1736.46 1449.79,1739.77 1449.79,1744.79 1415.93,1778.66 1415.93,1784.49 1418.43,1786.99 1424.26,1786.99 1458.12,1753.12 1463.15,1753.12 1466.45,1756.43 1466.45,1761.45 1444.93,1782.98 1444.93,1788.81 1447.43,1791.31 1453.26,1791.31 1474.78,1769.78 1479.81,1769.78 1483.11,1773.09 1483.11,1778.11 1475.83,1785.4 1475.83,1791.23 1478.33,1793.73 1484.16,1793.73 1488.53,1789.36 1494.36,1789.36 1499.77,1794.77 1503.94,1798.94 1503.94,1803 1503.94,1810.65 1508.06,1814.78 1552.05,1814.78 1556.18,1818.9 1556.18,1822.43 1552.05,1826.56 1503.94,1826.56 1480.47,1826.56 1476.34,1830.68 1476.34,1834.21 1480.47,1838.34 1499.81,1838.34 1503.94,1842.46 1503.94,1850.12 1503.94,1861.9 1503.94,1873.68 MCU1.157@1503.94,1879.57
  BOT w5.78: v1(1128,1190.89) 1145,1207.89 1261.43,1207.89 1299.56,1169.76 1299.56,835.1 1438.32,696.34 1535,696.34 1538.43,696.34 1550.21,696.34 1561.99,696.34 1573.77,696.34 1579.66,696.34 1579.85,696.15 1588.18,687.82 1594.86,681.14 1598.17,681.14 1604,681.14 1606.5,678.64 1606.5,672.81 1606.5,669.5 1611.52,664.48 1614.83,664.48 1620.66,664.48 1623.16,661.99 1623.16,656.15 1623.16,652.84 1628.18,647.82 1631.49,647.82 1637.32,647.82 1639.82,645.33 1639.82,639.49 1639.82,636.18 1644.83,631.17 1648.15,631.17 1653.98,631.17 1656.48,628.67 1656.48,622.84 1654.82,621.18 1647.66,614.01 1647.66,608.18 1650.16,605.68 1655.99,605.68 1663.15,612.85 1664.81,614.51 1670.64,614.51 1673.14,612.01 1673.14,606.18 1673.14,602.86 1679.81,596.19 1683.98,592.02 1683.98,588.01 1683.98,576.23 1683.98,564.45 1683.98,552.67 1683.98,540.89 U4.47@1683.98,535
FMC_D28: MCU1.207 U4.48 | length 2620.8
  TOP w5.78: MCU1.207@519.68,1879.57 519.68,1689.32 v1(944,1265)
  BOT w5.78: v1(944,1265) 1077.89,1265 1123.22,1219.67 1268.33,1219.67 1311.34,1176.66 1311.34,839.98 1443.2,708.12 1555.12,708.12 1588,741 1619.02,741 1623.19,736.84 1628.6,731.42 1628.6,725.59 1604,700.98 1604,695.15 1606.49,692.66 1612.33,692.66 1639.85,720.18 1642.09,722.42 1647.92,722.42 1650.42,719.92 1650.42,714.09 1648.18,711.85 1620.66,684.33 1620.66,678.49 1623.15,676 1628.98,676 1653.59,700.6 1659.42,700.6 1661.92,698.1 1661.92,692.27 1637.31,667.67 1637.31,661.84 1639.81,659.34 1645.64,659.34 1670.25,683.94 1676.08,683.94 1678.58,681.44 1678.58,675.61 1653.97,651.01 1653.97,645.18 1656.47,642.68 1662.3,642.68 1686.91,667.28 1692.74,667.28 1695.24,664.78 1695.24,658.95 1670.63,634.35 1670.63,628.52 1673.13,626.02 1678.96,626.02 1703.57,650.62 1709.4,650.62 1714.81,645.21 1715.47,644.55 1715.47,638.66 1715.47,631 1719.6,626.88 1728.55,626.88 1732.68,622.76 1732.68,619.22 1728.55,615.1 1715.47,615.1 1693.93,615.1 1689.81,610.98 1689.81,607.44 1693.93,603.32 1711.35,603.32 1715.47,599.2 U4.48@1715.47,535